# Altium PCB ZYNQ7010_AD9363.PcbDoc (part 4 of 5)
Units mil, origin at the board's own origin, x right, y up, seen from the top; angles counter-clockwise.
Board outline 2907.03 x 3814.03 mil, 4 copper layers (Top Layer, Mid-Layer 1, Mid-Layer 2, Bottom Layer); 280 components, 271 nets, 1467 pads, 976 vias.
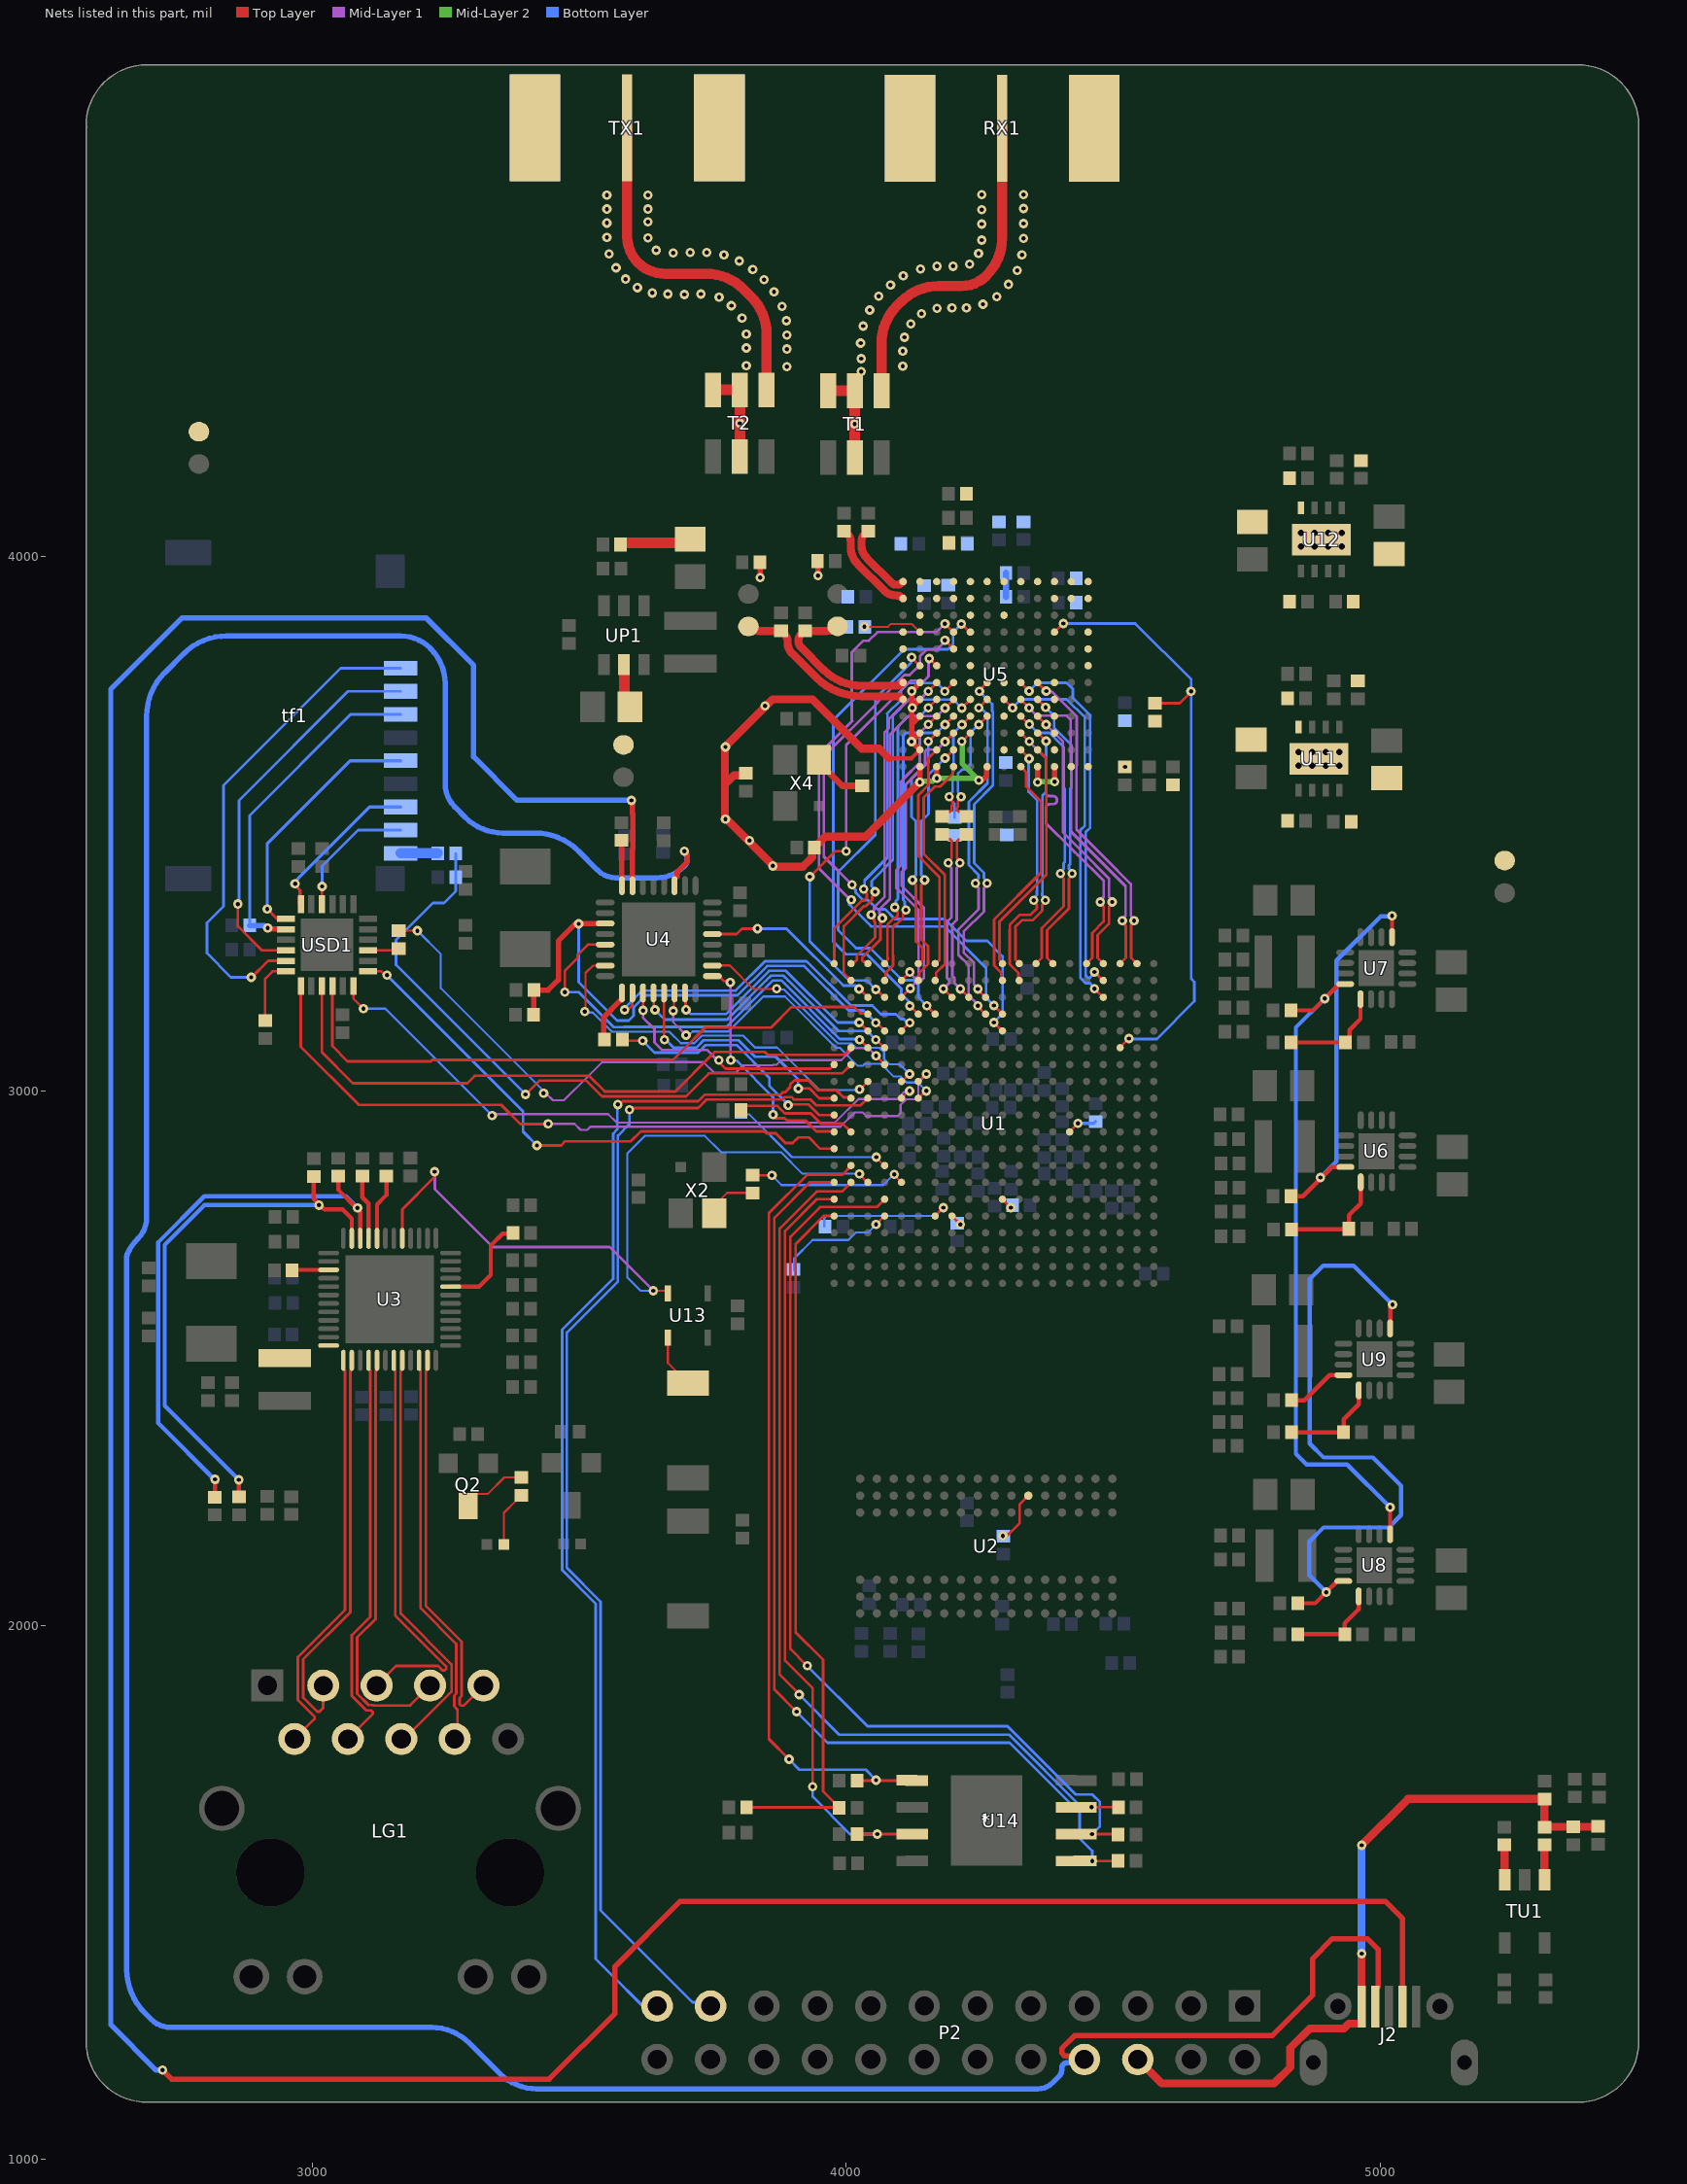
[diagram p6: the nets of this part, all layers, seen from the top]

## Via types
v1: diameter 17.72, hole 7.87, Top Layer to Bottom Layer, tented both sides, 960 vias
v2: diameter 19.68, hole 11.81, Top Layer to Bottom Layer, 16 vias

## Nets (pads, with @x,y where several pads share a name; then routed paths per layer and width w, separated by ;. In a path a pad name is that pad's centre, name@x,y a point inside that pad or via, vN(x,y) a via of type N, cw(c..) or ccw(c..) an arc to the next point about the centre after c; other vN are vias at no path point) (continued)
NetQ2_3: Q2.3 R60.1 | length 126.4
  Top Layer w4: Q2.3@3292,2223 3292,2230 3308,2246 3329.24,2246 3359.97,2276.73 R60.1@3392,2276.73
NetR2_2: R2.2 U1.H5 | length 22.3
  Top Layer w5: U1.H5@4197.99,2765.98 v1(4213.74,2750.26)
NetR3_2: R3.2 U1.G5 | length 269.1
  Top Layer w5: U1.G5@4166,2766 v1(4181.74,2781.74)
  Bottom Layer w4: R3.2@3958.87,2746.41 3958.87,2762.34 3962.81,2766.28 4064.24,2766.28 ; 4064.26,2766.26 4166.26,2766.26 v1(4181.74,2781.74)
NetR6_1: R6.1 U2.L8 | length 104
  Top Layer w5: v1(4293.24,2167.29) 4293.24,2166.09 4296.54,2162.78 4324.86,2191.1 4324.86,2226.37 U2.L8@4340.98,2242.49
NetR9_2: R9.2 R11.1 U6.5 | length 204.2
  Top Layer w8: R9.2@4833.73,2741 4940.27,2741 R11.1@4941.27,2742 4941.27,2767.27 4963.4,2789.4 U6.5@4963.4,2829.1
NetR10_2: R10.2 R12.1 U7.5 | length 194.7
  Top Layer w8: R10.2@4832.46,3091 R12.1@4934.54,3091 4942.35,3098.81 4942.35,3114.35 4963,3135 U7.5@4963,3171.8
NetR14_2: R14.2 R17.1 U8.5 | length 169.5
  Top Layer w8: R14.2@4845.73,1983 R17.1@4933.54,1983 4933.54,2003.54 4959.5,2029.5 U8.5@4959.5,2053.9
NetR15_2: R15.2 U9.4 | length 116.7
  Top Layer w8: R15.2@4833.73,2421 4858,2421 4905,2468 U9.4@4931,2468
NetR16_2: R16.2 R18.1 U9.5 | length 187.8
  Top Layer w8: R16.2@4833.73,2361 R18.1@4931.54,2361 4931.54,2385.54 4959.6,2413.6 U9.5@4959.6,2439.4
NetR26_1: R26.1 U3.39 | length 68.7
  Top Layer w8: R26.1@2962.73,2664.2 2963.73,2665.2 U3.39@3030.96,2665.2
NetR27_1: R27.1 U3.32 | length 123.5
  Top Layer w8: U3.32@3121.52,2724.26 3121.52,2787.72 3139,2805.2 R27.1@3139,2840.47
NetR30_2: R30.2 U1.B10 | length 230.6
  Top Layer w5: R30.2@3802.73,2964 3810.73,2972 3871,2972 3885,2958 3933.6,2958 3952.6,2939 3993.47,2939 4007.54,2924.93 4007.54,2923.46 U1.B10@4009.01,2923.46
NetR37_2: R37.2 X2.3 | length 86.8
  Top Layer w4: X2.3@3753,2780.38 3753,2785.3 3776.97,2809.27 R37.2@3825,2809.27
NetR38_2: R38.2 U3.20 | length 190.5
  Top Layer w8: U3.20@3259.31,2633.7 3259.44,2633.83 3312.63,2633.83 3334.5,2655.7 3334.5,2710.7 3356.87,2733.08 3374.87,2733.08 R38.2@3376,2734.2
NetR42_2: R42.2 U4.1 | length 104.1
  Top Layer w10: R42.2@3548.17,3096.91 R42.2@3547.27,3096 3546,3097.27 3546,3138.26 3577.6,3169.86 3578.56,3169.86 3580.1,3171.4 U4.1@3580.1,3183.61
NetR44_1: R44.1 U4.24 | length 85.1
  Top Layer w10: R44.1@3579,3469 3579.91,3468.09 3579.91,3384.59 U4.24@3580.1,3384.39
NetR55_2: R55.2 U1.R10 | length 56.6
  Top Layer w5: U1.R10@4418.32,2923.81 v1(4434.06,2939.55)
  Bottom Layer w6: v1(4434.06,2939.55) 4463.55,2939.55 R55.2@4467,2943
NetR57_2: R57.2 U1.L6 | length 22.3
  Top Layer w5: U1.L6@4292.48,2797.48 v1(4308.22,2781.74)
NetR60_2: R60.2 USR_LED.2 | length 106.5
  Top Layer w4: USR_LED.2@3359.14,2151 3359.14,2210.41 3381.2,2232.47 3381.2,2233.46 3391.02,2243.27 R60.2@3392,2243.27
NetR62_2: R62.2 USD1.24 | length 123.1
  Top Layer w5: R62.2@2912,3132 2912,3210 2926.1,3224.1 USD1.24@2951.3,3224.1
NetR63_2: R63.2 tf1.3 USD1.20 | length 638.4
  Top Layer w10: v1(2917,3305) 2918.3,3303.7 2950.4,3303.7 USD1.20@2951.3,3302.8
  Bottom Layer w5: R63.2@2883,3310 2883,3516 3071.97,3704.97 tf1.3@3165.82,3704.97
  Bottom Layer w10: R63.2@2883,3310 2909.91,3310 2914.91,3305 v1(2917,3305)
NetR67_2: R67.2 TU1.1 | length 65.4
  Top Layer w4: TU1.1@5307.5,1523.7 TU1.1@5307.9,1523.3
  Top Layer w15: TU1.1@5307.5,1523.7 R67.2@5307.5,1588.5
NetR68_1: R68.1 TU1.3 | length 65.5
  Top Layer w4: TU1.3@5232.5,1523.9 TU1.3@5233.1,1523.3
  Top Layer w15: TU1.3@5232.5,1523.9 R68.1@5232.5,1588.5
NetR70_1: R70.1 tf1.9 | length 69.5
  Bottom Layer w19: tf1.9@3165.82,3445.13 3165.88,3445.06 3235.2,3445.06 R70.1@3235.27,3445
NetR72_1: R72.1 USD1.9 | length 68.1
  Top Layer w5: USD1.9@3104.9,3263.4 3169.6,3263.4 R72.1@3172,3261
NetR75_1: R75.1 U5.L4 | length 112.6
  Top Layer w4: v1(4034,3869) 4078.21,3869 4083.67,3874.46 4122.36,3874.46 U5.L4@4137.71,3859.11
  Top Layer w10: U5.L4@4137.71,3859.11 U5.L4@4138.02,3859.11
NetRESET_2: RESET.2 U13.3 | length 101.3
  Top Layer w4: U13.3@3666,2538.4 3666,2490.73 RESET.2@3703.95,2452.79
NetRX1_1: RX1.1 T1.3 | length 634.4
  Top Layer w19: T1.3@4066,4311 4066,4399.58 cw(c4166,4399.58) 4095.29,4470.29 4102.71,4477.71 cw(c4173.42,4407) 4173.42,4507 4216.13,4507 ccw(c4216.13,4571.87) 4262,4526 4262.71,4526.71 ccw(c4192,4597.42) 4292,4597.42 RX1.1@4292,4802.5
NetT2_3: T2.3 TX1.1 | length 670.7
  Top Layer w19: TX1.1@3590,4803 3590,4599.28 ccw(c3658.28,4599.28) 3610,4551 ccw(c3660.7,4601.7) 3660.7,4530 3737.58,4530 cw(c3737.58,4430) 3808.29,4500.71 3821.71,4487.29 cw(c3751,4416.58) 3851,4416.58 T2.3@3851,4312.51
Nettf1_1: tf1.1 USD1.23 | length 929.2
  Top Layer w5: v1@2886.37,3212.37 2917.7,3243.7 USD1.23@2951.3,3243.7
  Bottom Layer w5: v1@2886,3213 2848,3213 2803,3258 2803,3315 2834,3346 2834,3572 3053.58,3791.58 tf1.1@3165.82,3791.58
  other v1: 2885.87,3212.87
Nettf1_2: tf1.2 USD1.22 | length 732.2
  Top Layer w5: v1(2861,3350) 2861,3308 2905.6,3263.4 USD1.22@2951.3,3263.4
  Bottom Layer w5: v1@2863,3350 2863,3544 3067.28,3748.28 tf1.2@3165.82,3748.28
Nettf1_5: tf1.5 USD1.19 | length 479.3
  Top Layer w5: v1@2916,3341 2934.5,3322.5 USD1.19@2951.3,3322.5
  Bottom Layer w6: v1(2915.87,3340.87) 2915.87,3462.87 3071.35,3618.35 tf1.5@3165.82,3618.35
Nettf1_7: tf1.7 USD1.18 | length 302.2
  Top Layer w6: v1(2968,3388) 2968,3384.83 2977.13,3375.7 2977.13,3362.57 USD1.18@2978,3361.7
  Top Layer w10: USD1.18@2978,3361.7 2978,3350.9 USD1.18@2978.9,3350
  Bottom Layer w6: v1(2968,3388) 2968,3391.17 2972.63,3395.8 2972.63,3396.63 3107.74,3531.74 tf1.7@3165.82,3531.74
Nettf1_8: tf1.8 USD1.16 | length 246.2
  Top Layer w5: USD1.16@3018.3,3350 3018.3,3382.3 v1(3018.87,3382.87) v1@3019,3383
  Bottom Layer w5: v1(3018.87,3382.87) 3018.87,3420.87 3086.43,3488.43 tf1.8@3165.82,3488.43
OTG_CLK: R42.1 U1.A11 | length 477.7
  Top Layer w5: R42.1@3580.73,3096 3582.73,3094 v1(3619,3094) ; v1(3891.36,2973.36) 3893,2975 3929.32,2975 3949.36,2954.96 U1.A11@3977.52,2954.96
  Bottom Layer w5: v1(3619,3094) 3641,3072 3723,3072 3737,3086 3795,3086 3856,3025 3856,3010 3891,2975 3891,2973.72 v1(3891.36,2973.36)
OTG_DATA0: U1.A14 U4.3 | length 463.2
  Top Layer w5: v1(3619.47,3150.81) U4.3@3619.47,3183.61 ; v1(3761.36,3057.64) 3761.36,3054.64 3774,3042 3970.07,3042 U1.A14@3977.52,3049.45
  Mid-Layer 1 w5: v1(3619.47,3150.81) 3619.47,3137.53 3641,3116 3641,3091 3655,3077 3739,3077 3758.36,3057.64 v1(3761.36,3057.64)
OTG_DATA1: U1.D15 U4.4 | length 560.4
  Top Layer w5: U4.4@3639.16,3183.61 3639.58,3183.19 3639.58,3154.42 v1(3642,3152) ; v1(4055.43,3096.14) 4056.12,3096.14 4071.32,3080.94 U1.D15@4072.01,3080.94
  Bottom Layer w5: v1(3642,3152) 3660.14,3133.86 3777.11,3133.86 3850.25,3207 3859.25,3216 3882.06,3216 3891.06,3207 3985.7,3112.36 4039.51,3112.36 4055.3,3096.57 4055.3,3096.27 v1(4055.43,3096.14)
OTG_DATA2: U1.A12 U4.5 | length 473.1
  Top Layer w5: U4.5@3658.84,3183.61 3658.84,3096.88 v1(3659.64,3096.08) ; v1(3910.4,3004.56) 3910.85,3005 3931.27,3005 3949.82,2986.45 U1.A12@3977.52,2986.45
  Bottom Layer w5: v1(3659.64,3096.08) 3661.92,3096.08 3677,3081 3719.27,3081 3733.27,3095 3798.73,3095 3829.73,3064 3868,3064 3910,3022 3910,3004.96 v1(3910.4,3004.56)
OTG_DATA3: U1.F12 U4.6 | length 667.9
  Top Layer w4: v1(3676,3150) 3677.26,3151.26 3677.26,3182.34 U4.6@3678.53,3183.61 ; v1@3698.36,3104.64 v1(3700.28,3104.64) ; U1.F12@4135,2986.45 v1@4148.7,3000.15
  Mid-Layer 1 w4: v1(3676,3150) 3676,3128.92 v1(3700.28,3104.64)
  Bottom Layer w4: v1(3700.28,3104.64) 3701.72,3104.64 3702,3104.36 3705.37,3104.36 3712.51,3111.5 3779.5,3111.5 3844.78,3176.78 3885.22,3176.78 3981,3081 3988,3081 4022,3047 4031,3047 4035.14,3051.14 4064.86,3051.14 4089,3027 4102.21,3027 4113.21,3016 4134.23,3016 v1(4150.08,3000.15)
OTG_DATA4: U1.C16 U4.7 | length 456.3
  Top Layer w5: U4.7@3698.21,3183.61 3699.16,3182.65 3699.16,3152.99 v1(3700.12,3152.04) ; v1(4024.23,3128.23) 4024.72,3128.23 U1.C16@4040.51,3112.44
  Bottom Layer w5: v1(3700.12,3152.04) 3701.36,3152.04 3709.4,3144 3774.52,3144 3855.52,3225 3887.07,3225 3983.84,3128.23 v1(4024.23,3128.23)
OTG_DATA5: U1.A10 U4.9 | length 455
  Top Layer w5: U4.9@3749.39,3215.1 3761.6,3215.1 3770.91,3205.79 3780.57,3205.79 v1(3783,3203.36) ; v1(3863.16,2955.86) 3863.16,2951.93 3866.09,2949 3885,2949 3889.16,2944.84 3923.61,2944.84 3944.14,2924.32 3976.66,2924.32 U1.A10@3977.52,2923.46
  Mid-Layer 1 w5: v1(3783,3203.36) 3783.5,3202.86 3783.5,3058.14 v1(3784,3057.64)
  Bottom Layer w5: v1(3784,3057.64) 3784.64,3057 3794.53,3057 3863.16,2988.37 v1(3863.16,2955.86)
OTG_DATA6: U1.E13 U4.10 | length 482.1
  Top Layer w4: U4.10@3749.39,3234.79 3749.57,3234.96 3782.04,3234.96 3826.2,3190.8 3869.15,3190.8 v1(3870,3191.64) ; U1.E13@4103.5,3017.95 4104.14,3017.95 4117.96,3031.77 v1(4118.59,3031.77)
  Bottom Layer w4: v1(3870,3191.64) 3871.64,3190 3883.31,3190 3984.31,3089 4009.43,3089 4017.57,3080.86 4062.15,3080.86 4070.86,3072.15 4070.86,3060 4080.86,3050 4100.23,3050 4118.45,3031.77 v1(4118.59,3031.77)
OTG_DATA7: U1.C18 U4.13 | length 347.5
  Top Layer w5: U4.13@3749.39,3293.84 3794.84,3293.84 3805,3304 v1(3834,3304) ; v1@4025.01,3190.93 U1.C18@4040.51,3175.43
  Bottom Layer w5: v1(3834,3304) 3888,3304 3994.64,3197.36 4017.5,3197.36 v1(4023.93,3190.93)
OTG_DIR: U1.C13 U4.31 | length 721.9
  Top Layer w4: v1(3510.64,3148.64) 3511.86,3149.86 3511.86,3220.87 3525.78,3234.79 U4.31@3548.61,3234.79 ; v1@4026.81,3004.25 U1.C13@4040.51,3017.95
  Bottom Layer w4: v1(3510.64,3148.64) 3512.29,3146.99 3525.5,3146.99 3561.49,3111 3669,3111 3690.5,3089.5 3715.75,3089.5 3729.75,3103.5 3807.12,3103.5 3829.41,3081.2 3870.5,3081.2 3949.92,3001.78 4023.78,3001.78 v1(4025,3003)
OTG_NXT: U1.E16 U4.2 | length 684.3
  Top Layer w5: v1(3585,3152) 3591,3152 3599.39,3160.39 3599.39,3183.21 U4.2@3599.79,3183.61 ; U1.E16@4103.5,3112.44 v1@4119,3127.94
  Bottom Layer w5: v1(3585,3152) 3585,3154.73 3618.27,3188 3793.07,3188 3848.07,3243 3926,3243 4009,3160 4049,3160 4065.21,3143.79 4093.21,3143.79 4102.56,3134.44 4108.12,3134.44 4114.72,3127.84 4118.86,3127.84 v1(4119,3127.99)
OTG_RESETN: C121.2 R33.1 U1.D16 U4.27 | length 1087.6
  Top Layer w5: v1(4055.43,3127.99) 4056.46,3127.99 U1.D16@4072.01,3112.44
  Top Layer w10: R33.1@3414.46,3143 3414.73,3143.27 3414.73,3188.73 C121.2@3415,3189 3442,3189 3461,3208 3461,3281 3493.53,3313.53 U4.27@3548.61,3313.53
  Bottom Layer w5: v1(3499,3313) 3499,3204 3571,3132 3593,3132 3602,3141 3602,3156.27 3624.73,3179 3796.8,3179 3851.8,3234 3921.51,3234 4004.51,3151 4032.37,3151 v1(4055.43,3127.99) v1(4055.43,3127.99)
OTG_STP: U1.C15 U4.29 | length 822.5
  Top Layer w5: v1(3473,3185) 3473,3225 3497,3249 3497,3255 3516.16,3274.16 U4.29@3548.61,3274.16 ; v1(4025,3096.14) 4025.15,3096.14 4040.36,3080.94 U1.C15@4040.51,3080.94
  Bottom Layer w5: v1(3473,3185) 3499.51,3185 3564.87,3119.64 3583.36,3119.64 3583.72,3120 3775.98,3120 3862.98,3207 3878.33,3207 3987.83,3097.5 4023.64,3097.5 v1(4025,3096.14)
PG_1V0: R7.2 U6.4 U7.13 | length 721.7
  Top Layer w8: R7.2@4833,2803 4855,2803 4909.7,2857.7 U6.4@4934.8,2857.7 ; U7.13@5022,3288 v1(5022,3328)
  Bottom Layer w8: v1(4888,2838) 4918,2868 4918,3244 5001.14,3327.14 5021.14,3327.14 v1(5022,3328)
PG_1V5: R13.2 U8.4 U9.13 | length 1212.2
  Top Layer w8: R13.2@4845.73,2041 4878.15,2041 v1(4898.9,2061.75) 4919.65,2082.5 U8.4@4930.9,2082.5 ; U9.13@5018.6,2555.6 5018.6,2595.6 v1(5023,2600)
  Bottom Layer w8: v1(4898.9,2061.75) 4867,2093.65 4867,2156 4894,2183 5016,2183 5039,2206 5039,2261 4986,2314 4894,2314 4868,2340 4868,2648 4893,2673 4950,2673 5021,2602 5023,2602 v1(5023,2600)
PG_1V8: R8.2 U7.4 U8.13 | length 1265.5
  Top Layer w8: R8.2@4833,3151 4873.75,3151 4923.15,3200.4 U7.4@4934.4,3200.4 ; v1@5018,2221 v1(5018.5,2220.5) U8.13@5018.5,2170.1
  Bottom Layer w8: v1(4896,3173) 4842,3119 4842,2321 4862,2301 4938,2301 v1(5018.5,2220.5)
PHY_AD0/LED0: R31.1 R46.2 U3.35 | length 1018.2
  Top Layer w8: v1(2862.65,2272.27) 2862.65,2240.35 R31.1@2863,2240 ; R46.2@3003,2840.2 3003,2798.2 v1@3013.92,2787.27 ; v1(3013,2786.34) v1@3013.92,2787.27 ; U3.35@3074.27,2724.26 3074.27,2760.92 3057,2778.2 3023,2778.2 v1@3013.92,2787.27
  Bottom Layer w8: v1(2862.65,2272.27) 2724,2410.91 2724,2712.03 2798.31,2786.34 3012.31,2786.34 3012.65,2786 v1(3013,2786.34) v1@3014.85,2786.34
PHY_AD1/LED1: R32.1 R40.2 U3.34 | length 1078.5
  Top Layer w8: R32.1@2818,2239.73 v1(2818,2273) ; R40.2@3049,2840.47 3049,2815.2 3084,2780.2 3090.02,2774.18 U3.34@3090.02,2724.26
  Bottom Layer w8: v1@2821.75,2268.25 2712,2378 2712,2717 2798.2,2803.2 3063,2803.2 v1(3085,2781.2)
PHY_MDI0_N: LG1.P3 U3.2 | length 762.7
  Top Layer w5: LG1.P3@3020.8,1887 3020.8,1845.04 3013.68,1837.93 3009.54,1837.93 2983.3,1864.17 2983.3,1936.16 3071.4,2024.25 3071.4,2476.69 3074.27,2479.56 U3.2@3074.27,2495.91
PHY_MDI0_P: LG1.P2 U3.1 | length 775.1
  Top Layer w5: LG1.P2@2966.9,1787 3004.54,1824.64 3004.54,1828.78 2973.3,1860.03 2973.3,1940.3 3061.4,2028.4 3061.4,2476.69 3058.52,2479.56 U3.1@3058.52,2495.91
PHY_MDI1_N: LG1.P7 U3.5 | length 800.6
  Top Layer w5: U3.5@3121.51,2495.91 3121.51,2479.56 3118.64,2476.69 3118.64,2011.5 3084.3,1977.16 3084.3,1871.88 3105.68,1850.5 3114.54,1850.5 3115.4,1849.64 3183.44,1849.64 LG1.P7@3220.8,1887
PHY_MDI1_P: LG1.P4 U3.4 | length 764.9
  Top Layer w5: LG1.P4@3066.9,1787 3113.33,1833.43 3113.33,1837.57 3110.4,1840.5 3101.54,1840.5 3074.3,1867.74 3074.3,1981.3 3108.64,2015.64 3108.64,2476.69 3105.77,2479.56 U3.4@3105.77,2495.91
PHY_MDI2_N: LG1.P6 U3.8 | length 791.7
  Top Layer w5: LG1.P6@3166.9,1787 3172.42,1787 3261,1875.58 3261,1926.7 3165.89,2021.82 3165.89,2476.69 3168.76,2479.56 U3.8@3168.76,2495.91
PHY_MDI2_P: LG1.P5 U3.7 | length 767.9
  Top Layer w5: LG1.P5@3120.8,1887 3157.3,1923.5 3235.92,1923.5 3243.93,1915.49 3248.07,1915.49 3251,1918.42 3251,1922.56 3155.89,2017.68 3155.89,2476.69 3153.01,2479.56 U3.7@3153.01,2495.91
PHY_MDI3_N: LG1.P9 U3.11 | length 735.7
  Top Layer w5: U3.11@3216,2495.91 3216,2479.56 3213.13,2476.69 3213.13,2035.87 3280,1969 3280,1867.71 3276.09,1863.8 3276.09,1852.29 3279.02,1849.36 3283.16,1849.36 LG1.P9@3320.8,1887
PHY_MDI3_P: LG1.P8 U3.10 | length 743.9
  Top Layer w5: U3.10@3200.26,2495.91 3200.26,2479.56 3203.13,2476.69 3203.13,2031.73 3270,1964.86 3270,1871.85 3266.09,1867.94 3266.09,1848.14 3271.94,1842.29 3271.94,1792.04 LG1.P8@3266.9,1787
PMEB: R35.2 U3.33 | length 121.1
  Top Layer w8: R35.2@3094,2840.47 3094,2801.2 3105.77,2789.43 U3.33@3105.77,2724.26
PS_CLK_500: R37.1 U1.E7 | length 300.2
  Top Layer w4: R37.1@3825,2842.73 3825.73,2842 v1(3861,2842) ; v1@4089.8,2842.67 U1.E7@4103.5,2828.97
  Bottom Layer w4: v1(3861,2842) 3879,2824 4069,2824 4089.05,2844.05 v1(4089.8,2844.05)
PS_MIO7: R56.2 U1.D8 | length 315.8
  Top Layer w4: v1@4056.3,2874.7 U1.D8@4070,2861
  Bottom Layer w4: R56.2@3795.01,2961 3799.52,2956.49 3818.2,2956.49 3898.61,2876.08 v1(4056.3,2876.08)
PS_MIO8: R47.2 U1.D5 | length 224
  Top Layer w5: v1(4055.92,2750.1) U1.D5@4071.66,2765.84
  Bottom Layer w4: R47.2@3902,2664.73 3902,2686 3937,2721 4004,2721 4018,2735 4040.82,2735 v1(4055.92,2750.1)
PS_PRO_B: U1.C7 U3.29 U13.2 | length 1489.5
  Top Layer w4: v1(3639,2626) 3662,2626 3666,2622 U13.2@3666,2621 ; v1@4024.8,2843.67 U1.C7@4038.5,2829.97
  Top Layer w5: U3.29@3168.76,2724.26 3168.76,2778.48 3230,2839.72 3230,2848.28 v1(3229.36,2848.92)
  Mid-Layer 1 w5: v1(3229.36,2848.92) 3230,2848.28 3230,2816 3338,2708 3557,2708 v1(3639,2626)
  Bottom Layer w4: v1(3639,2626) 3615,2626 3590,2651 3590,2883.15 3622.85,2916 3735.11,2916 3765.97,2885.14 3878.23,2885.14 3918.32,2845.05 v1(4024.8,2845.05)
QSPI_CS: *.1 R59.1 U1.A7 U14.1 | length 1887.1
  Top Layer w5: v1(3907,1838) 3865.41,1879.59 3865.41,2762.7 3931.69,2828.97 U1.A7@3977.52,2828.97 ; *.1@4412.61,1558.41 v1(4460.64,1558.41) 4508.68,1558.41 R59.1@4509.27,1559
  Bottom Layer w5: v1(3907,1838) 3965,1780 4306,1780 4437,1649 4437,1601 4460.64,1577.36 v1(4460.64,1558.41)
QSPI_D0: *.5 R49.2 U1.B8 U14.5 | length 1491.6
  Top Layer w5: v1(3893,1749) 3855.3,1786.7 3855.3,2771.23 3927.61,2843.54 3992.95,2843.54 4009.01,2859.6 U1.B8@4009.01,2860.47 ; R49.2@4020.46,1709 4056,1709 *.5@4103.85,1709
  Bottom Layer w5: v1(3893,1749) 3912.5,1729.5 4036.5,1729.5 v1(4056,1710)
QSPI_D1: *.2 R51.2 U1.D6 U14.2 | length 1838.6
  Top Layer w5: v1(3927,1924) 3895.41,1955.59 3895.41,2726.93 3951.31,2782.82 4057.35,2782.82 U1.D6@4072.01,2797.48 ; *.2@4412.6,1608.8 v1(4460.53,1608.8) 4508.47,1608.8 R51.2@4509.27,1608
  Bottom Layer w5: v1(3927,1924) 4040,1811 4302,1811 4430,1683 4461,1683 4475,1669 4475,1623.27 v1(4460.53,1608.8)
QSPI_D2: *.3 R52.2 U1.B7 U14.3 | length 1787.9
  Top Layer w5: v1@3912,1871 3875.41,1907.59 3875.41,2742.3 3944.98,2811.87 3991.91,2811.87 U1.B7@4009.01,2828.97 ; *.3@4412.6,1659.2 4460.97,1659.2 4509.34,1659.2 R52.2@4509.54,1659
  Bottom Layer w5: v1(3912,1870) 3987,1795 4305.27,1795 4441.07,1659.2 v1(4459.64,1659.2)
QSPI_D3: *.7 R50.2 U1.A6 U14.7 | length 1440.4
  Top Layer w5: v1(3937.33,1697.67) 3937.33,1881.67 3885.41,1933.59 3885.41,2738.16 3944.73,2797.48 U1.A6@3977.52,2797.48 ; R50.2@4020,1609 v1(4058,1609) U14.7@4113.2,1609
  Bottom Layer w5: v1(3937.33,1697.67) 3937.33,1678.67 4007,1609 v1(4058,1609)
QSPI_SCK: R53.2 R58.2 U1.A5 | length 1353.7
  Top Layer w5: R53.2@3813.46,1659 3985.54,1659 3985.54,1659.98 3956.76,1688.76 3956.76,1935.24 3905.41,1986.59 3905.41,2713.61 3957.78,2765.98 U1.A5@3977.52,2765.98
REG_OUT: L6.1 U3.48
RFGND: C17.1 C18.1 C20.1 C21.1 C22.1 C23.1 C25.1 C26.1 C27.1 C28.1 C142.2 C143.1 C144.1 C145.1 C146.1 C150.1 C151.1 C160.2 C161.1 C162.2 C165.2 C166.2 C168.2 C169.2 C170.2 C171.2 C172.2 C173.2 C174.2 C175.2 C176.2 C177.2 CP1.1 CP3.1 R24.2 R25.2 R75.2 RP1.2 RX1.2 RX1.3 RX1.4 RX1.5 RX2.1 RX5.1 RX6.1 RX7.1 RX8.1 RX10.1 T1.1 T1.2 T1.5 T2.1 T2.2 T2.5 TX1.2 TX1.3 TX1.4 TX1.5 U5.A1 U5.A2 U5.A4 U5.A5 U5.A6 U5.A12 U5.B1 U5.B2 U5.B12 U5.C1 U5.C2 U5.C7 U5.C8 U5.C9 U5.C10 U5.C11 U5.C12 U5.D1 U5.D12 U5.E1 U5.F1 U5.F3 U5.F7 U5.F9 U5.F11 U5.G1 U5.G12 U5.H1 U5.H2 U5.H3 U5.H5 U5.H6 U5.H7 U5.H10 U5.J1 U5.J2 U5.K1 U5.K2 U5.K12 U5.L1 U5.L2 U5.L3 U5.L7 U5.L8 U5.L9 U5.L10 U5.L11 U5.L12 U5.M4 U5.M5 U5.M6 U11.0 U11.4 U12.0 U12.4 UP1.2 X4.2 | length 2481.8